# Altium PCB novena_evt1_a.PcbDoc (part 2 of 12)
Units mm, origin at the board's own origin, x right, y up, seen from the top; angles counter-clockwise.
Board outline 121 x 150 mm, 10 copper layers (Top, L2-GND, L3, L4, L5-PWR, L6-PWR, L7, L8, L9-GND, Bot), stack 1.621 mm thick; 951 components, 714 nets, 4891 pads, 2105 vias.
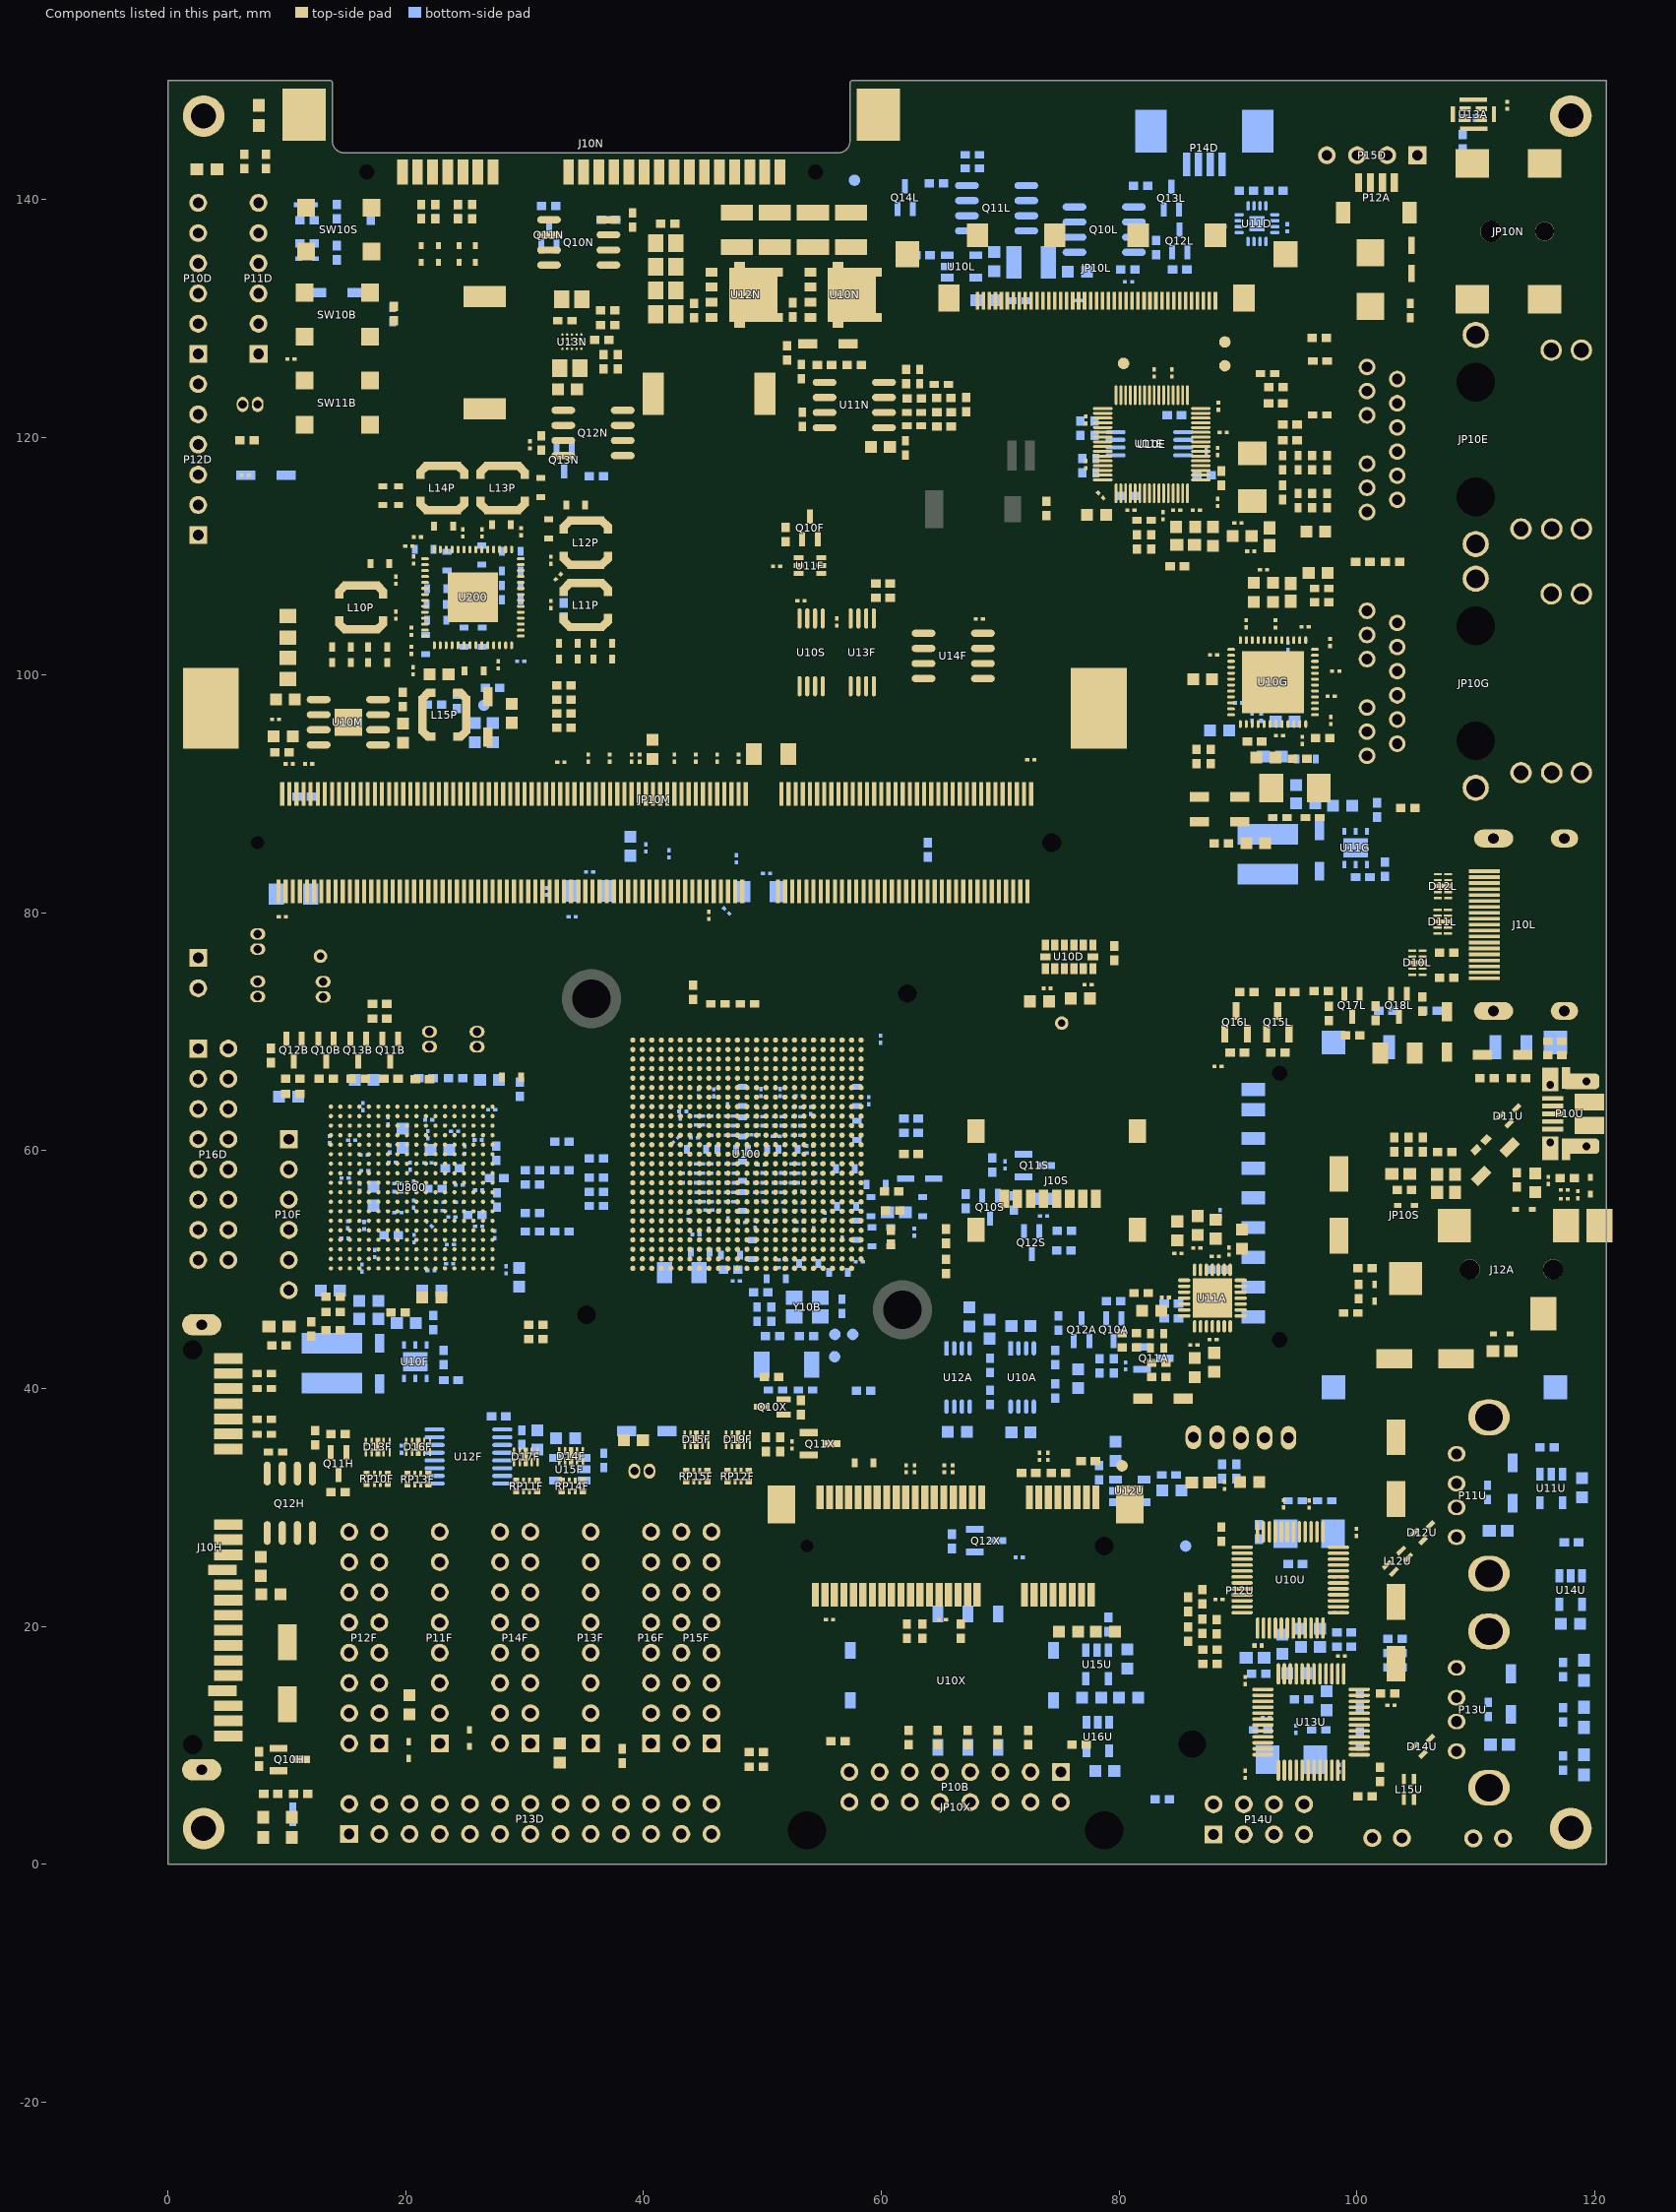
[diagram p10: the components of this part, seen from the top]

## Components (designator, comment, footprint, x,y, rotation, side; value= is the part's Value field where it differs from the comment) (continued)
C85C "0.22uF, 6.3V, X5R 10%" CAPC0603N_B 44.275,61.075 r0 bottom
C86C "0.22uF, 6.3V, X5R 10%" CAPC0603N_B 54,60.4 r180 bottom
C87C "0.22uF, 6.3V, X5R 10%" CAPC0603N_B 42.7,60.9 r225 bottom
C88C "0.22uF, 6.3V, X5R 10%" CAPC0603N_B 43.6,57.3 r0 bottom
C89C "0.22uF, 6.3V, X5R 10%" CAPC0603N_B 52.925,63.65 r0 bottom
C90C "0.22uF, 6.3V, X5R 10%" CAPC0603N_B 47.225,61.3 r180 bottom
C91C "0.22uF, 6.3V, X5R 10%" CAPC0603N_B 52.725,58.9 r0 bottom
C92C "0.22uF, 6.3V, X5R 10%" CAPC0603N_B 52.7,57.3 r0 bottom
C93C "0.22uF, 6.3V, X5R 10%" CAPC0603N_B 52.725,58.1 r0 bottom
D10A "ESD5Z2.5T1" SOD-523 114.05,55.05 r180 top
D10C "NSR0320" SOD-323 63.225,57.65 r180 bottom
D10D "CDBM140-G" SOD123 14.2,132.15 r180 bottom
D10F "Kingbright APT1608SGC green (DNP)" CD1608-0603 9.35,45.2 r180 top
D10G "CDBM140-G" SOD123 96.85,85.2 r270 bottom
D10H "APT1608SGC green" CD1608-0603 8,3.1 r270 top
D10L "RCLAMP0524P" SEMTECH_SLP2510P8 105.1,75.8 r270 top
D10N "SSB44-E3/52T" DSO-C2/X2.3 101.15,133.25 r90 top
D10P "APT1608SGC green" CD1608-0603 3.275,142.525 r0 top
D10U "RSA5M" SOD123/X.85 111.65,59.075 r225 top
D10X "APT1608SGC green" CD1608-0603 119.1,12.35 r90 bottom
D11A "ESD5Z2.5T1" SOD-523 112.2,44.6 r180 top
D11D "CDBM140-G" SOD123 8.25,116.8 r180 bottom
D11F "CDBM140-G" SOD123 17.8,42.1 r270 bottom
D11G "BAT54T1G" SOD123 88.45,87.65 r180 top
D11L "RCLAMP0524P" SEMTECH_SLP2510P8 107.225,79.25 r90 top
D11N "PESD24VL1BA" SOD-323 104.6,134.95 r90 top
D11P "MBR140SFT" SOD123 26.9,96.475 r90 top
D11U "RCLAMP0502B" SOT-523 112.95,63.1 r45 top
D11X "APT1608SGC green" CD1608-0603 119.1,8.35 r90 bottom
D12A "ESD5Z2.5T1" SOD-523 101.5,48.05 r270 top
D12D "ESD5Z2.5T1" SOD-523 11.7,135 r180 bottom
D12F "APT1608SGC green" CD1608-0603 10.4,3.1 r270 top
D12G "BAT54T1G" SOD123 88.45,89.75 r180 top
D12L "RCLAMP0524P" SEMTECH_SLP2510P8 107.25,82.25 r90 top
D12N "BAT54T1G" SOD123 55.5,127.85 r0 top
D12U "RCLAMP0502B" SOT-523 105.7,28.05 r45 top
D12X "APT1608SGC green" CD1608-0603 119.1,16.3 r90 bottom
D13A "ESD5Z2.5T1" SOD-523 104.15,55.4 r180 top
D13D "ESD5Z2.5T1" SOD-523 11.6,139.55 r180 bottom
D13F "RCLAMP0524P" SEMTECH_SLP2510P8 17.65,35.075 r0 top
D13L "RSA5M" SOD123/X.85 107.575,69.975 r270 top
D13N "ESD5Z2.5T1" SOD-523 21.3,135.4 r270 top
D13U "RSA5M" SOD123/X.85 83.7,39.15 r180 top
D14A "ESD5Z2.5T1" SOD-523 119.65,57.05 r90 top
D14D "APT1608SGC green" CD1608-0603 7.65,147.05 r270 top
D14F "RCLAMP0524P" SEMTECH_SLP2510P8 33.9,34.3 r0 top
D14N "ESD5Z2.5T1" SOD-523 22.75,135.4 r270 top
D14U "RCLAMP0502B" SOT-523 105.7,10.075 r45 top
D15F "RCLAMP0524P" SEMTECH_SLP2510P8 44.45,35.7 r180 top
D15N "ESD5Z2.5T1" SOD-523 24.5,135.4 r270 top
D15U "RSA5M" SOD123/X.85 112.25,68.05 r180 top
D16F "RCLAMP0524P" SEMTECH_SLP2510P8 21.05,35.1 r0 top
D16N "ESD5Z2.5T1" SOD-523 25.85,135.4 r270 top
D16U "RSA5M" SOD123/X.85 113.1,32.05 r90 bottom
D17F "RCLAMP0524P" SEMTECH_SLP2510P8 30.1,34.25 r0 top
D17U "RSA5M" SOD123/X.85 112.95,14.3 r90 bottom
D18F "ESD5Z2.5T1" SOD-523 20.25,9.6 r270 top
D19F "RCLAMP0524P" SEMTECH_SLP2510P8 47.95,35.7 r180 top
D20F "ESD5Z2.5T1" SOD-523 25.35,10.6 r270 top
D21F "RSA5M" SOD123/X.85 40.275,36.425 r180 bottom
F10L "0ZCA0005FF2E" RESC3216N 103.425,68.2 r0 top
J10C "test point (DNP)" TP_SMT_38mil 56.075,42.675 r90 bottom
J10D "test point (DNP)" TP_HOLE 12.825,76.35 r90 top
J10E "test point (DNP)" TP_SMT_38mil 80.375,126.2 r270 top
J10H "MOLEX 47018-2000 female" SATA_MOLEX_47018_2000 2.075,26.65 r270 top
J10L "AUK HDM19SW-4-L2-1R3HHCN" MOLEX_47151-0001 111.5,79 r90 top locked
J10N "MOLEX 87703-0001 male" SATA_MOLEX-87703-0001 35.6,142.3 r180 top
J10P "test point (DNP)" TP_SMT_38mil 26.575,97.45 r90 bottom
J10S "AUK TFC08W01-HC-H" AUK_TFC08W01-HC-H 74.75,55.95 r180 top
J10X "test point (DNP)" TP_SMT_38mil 80.25,33.5 r180 top
J11C "test point (DNP)" TP_SMT_38mil 56.1,44.55 r90 bottom
J11D "test point (DNP)" TP_HOLE 75.175,70.725 r90 top
J11E "test point (DNP)" TP_SMT_38mil 88.9,128 r270 top
J12A "CUI SJ-43515TS-SMT" CUI_SJ_43515TS-SMT 116.5,50 r0 top locked
J12C "test point (DNP)" TP_SMT_38mil 57.6,44.55 r90 bottom
J12D "test point (DNP)" TP_SMT_38mil 57.75,141.6 r90 bottom
J12E "test point (DNP)" TP_SMT_38mil 88.9,126 r270 top
J13D "test point (DNP)" TP_SMT_38mil 85.6,26.75 r90 bottom
J14D "test point (DNP)" TP_SMT_38mil 90.5,131.35 r90 bottom
J15D "test point (DNP)" TP_SMT_38mil 28.9,95.975 r90 bottom
JP10E "UDE CORP 26-21024JA13-1" UDE_CORP_26-21024JA13-1 110,119.8 r90 top locked
JP10G "UDE CORP 26-21024JA13-1" UDE_CORP_26-21024JA13-1 110,99.3 r90 top locked
JP10L "HRS FX15S-41S-0.5SH" HRS_FX15S-41S-0.5SH 78.1,134.275 r180 top
JP10M "DDR3 SODIMM socket, reverse pinout" DDR3_SODIMM_REV 7.55,85.9 r90 top locked
JP10N "2.1mm x 5.5mm DC jack" CUI_PJ_002AH_SMT 111.3,137.3 r180 top locked
JP10S "HRS DM1AA-SF-PEJ(21)" HRS_DM1AA_SF_PEJ(21) 93.5,55.3 r270 bottom locked
JP10X "Mini PCI-express connector (TE 1717831)" MPCI_FULL_TE_1717831 78.755,26.75 r180 top
L10A "BLM18KG121" INDC1608AN 112.2,43.15 r0 top
L10E "BLM18KG121" INDC1608AN 85.6,110.95 r0 top
L10F "2.2uH, coilcraft MSS5121-222ML" COILCRAFT_MSS5121 13.8,40.45 r0 bottom
L10G "BLM18KG121" INDC1608AN 92.9,93.15 r180 bottom
L10N "3.3uH, MSS1260-332NL" COILCRAFT_MSS1048 50.225,123.65 r90 top
L10P "1uH LPS4018-102" COILCRAFT_LPS4018 16.25,105.675 r270 top
L10U "BLM18KG121" INDC1608AN 86.875,32.075 r0 top
L10X "BLM18KG121" INDC1608AN 61.275,54.8 r180 bottom
L11A "BLM18KG121" INDC1608AN 103.7,58.05 r0 top
L11E "BLM18KG121" INDC1608AN 92.65,111.625 r90 top
L11G "BLM18KG121" INDC1608AN 94.45,106.95 r270 top
L11N "0.60uH, XAL4020-601ME" COILCRAFT_MSS1048 26.65,131.8 r180 top
L11P "1uH LPS4018-102" COILCRAFT_LPS4018 35.15,105.875 r90 top
L11U "BLM18KG121" INDC1608AN 111.9,28.05 r180 bottom
L12A "BLM18KG121" INDC1608AN 106.75,57.25 r270 top
L12G "2.2uH, coilcraft MSS5121-222ML" COILCRAFT_MSS5121 92.5,83.25 r0 bottom
L12P "1uH LPS4018-102" COILCRAFT_LPS4018 35.15,111.125 r270 top
L12U "Bournes SRF2012-900Y or equiv." USB_CM_CHOKE_0805 104.325,25.775 r225 top
L13A "BLM18KG121" INDC1608AN 108.25,57.25 r270 top
L13P "1uH LPS4018-102" COILCRAFT_LPS4018 28.15,115.725 r90 top
L13U "BLM18KG121" INDC1608AN 91.45,17.35 r0 bottom
L14P "1uH LPS4018-102" COILCRAFT_LPS4018 23.075,115.725 r270 top
L14U "BLM18KG121" INDC1608AN 112,10.05 r180 bottom
L15P "2.2uH LPS4018-222" COILCRAFT_LPS4018 23.25,96.65 r180 top
L15U "Bournes SRF2012-900Y or equiv." USB_CM_CHOKE_0805 104.8,7.15 r270 top
M10N "M2 mounting hole" HOLE_M2_MOUNT#1 3.125,2.875 r0 top
M11N "M2 mounting hole" HOLE_M2_MOUNT#2 2.625,147.1 r0 top
M12N "M2 mounting hole" HOLE_M2_MOUNT#3 118.2,145 r0 top
M13N "M2 mounting hole" HOLE_M2_MOUNT#4 118.1,2.8 r0 top
P10A "JST B2B-EH-A" JST_B2B_EH_A 101.3,2.2 r0 top
P10B "Male 2.54mm 8x2 header (DNP)" HDR2X8 75.1,7.75 r180 top
P10D "Male 2.54mm 6x1 header" HDR1X6 2.54,127 r90 top
P10F "Male 2.54mm 6x1 header" HDR1X6 10.16,60.96 r270 top
P10U "FCI 10103594-0001LF" USB_MICRO_B_SMT 119.3,63.1 r90 top locked
P11A "JST B2B-EH-A" JST_B2B_EH_A 109.8,2.175 r0 top
P11D "Male 2.54mm 6x1 header" HDR1X6 7.62,127 r90 top
P11F "Female 8x1 2.54mm header" HDR1X8 22.86,10.16 r90 top
P11U "AUK USB-1X04-SR-BK-S-H" USB_TYPEA_TH_SINGLE 108.4,31 r90 top locked
P12A "JST BM04B-SRSS-TB" JST_BM04B_SRSS_TB 103.15,141.4 r180 top
P12D "Male 2.54mm 6x1 header" HDR1X6 2.54,111.76 r90 top
P12F "Female 8x2 2.54mm header" HDR2X8 17.78,10.16 r90 top
P12U "2mm 5-pin male header" AW_NU137 86.25,35.9 r270 top locked
P13D "Male 13x2 2.54mm header" HDR2X13 15.24,2.54 r0 top
P13F "Female 8x1 2.54mm header" HDR1X8 35.56,10.16 r90 top
P13U "AUK USB-1X04-SR-BK-S-H" USB_TYPEA_TH_SINGLE 108.4,13 r90 top locked
P14D "AMP 487951-4" AMP_487951_4 85.675,142.925 r0 bottom
P14F "Female 8x2 2.54mm header" HDR2X8 30.48,10.16 r90 top
P14U "Male right angle 4x2 2.54mm header" HDR2X4H 87.95,2.5 r0 top
P15D "Male 2.54mm 4x1 right-angle header (DNP)" HDR1X4H 105.1,143.7 r180 top
P15F "Female 8x2 2.54mm header" HDR2X8 45.72,10.16 r90 top
P16D "Male 8x2 2.54mm header" HDR2X8 2.54,68.58 r270 top
P16F "Female 8x1 2.54mm header" HDR1X8 40.64,10.16 r90 top
P_EXT "2 pin 1.27mm male header" HEADER_2_1.27MM 13.05,74.2 r270 top
P_FUSE "2 pin 1.27mm male header" HEADER_2_1.27MM 7.55,122.75 r180 top
P_LI2C_WP "2 pin 1.27mm male header" HEADER_2_1.27MM 22,70 r270 top
P_LSPI_WP "2 pin 1.27mm male header" HEADER_2_1.27MM 26,70 r270 top
P_PWM "2 pin 1.27mm male header" HEADER_2_1.27MM 40.5,33.05 r180 top
P_SATA "2 pin 1.27mm male header" HEADER_2_1.27MM 7.55,76.95 r90 top
P_TAMPER "Male 2.54mm 2x1 right angle (DNP)" HDR1X2H 2.54,76.2 r270 top
P_USB "2 pin 1.27mm male header" HEADER_2_1.27MM 7.55,72.95 r90 top
Q10A "2N7002W" SOT323-3AN 79.55,44.95 r270 bottom
Q10B "2N7002W" SOT323-3AN 13.3,68.45 r270 top
Q10F "2N7002W" SOT323-3AN 54,112.35 r90 top
Q10H "FDN304P" SOT23-3N 10.25,8.8 r0 top
Q10L "Si4435DY" SOIC127P600-8AN 78.75,137.45 r180 bottom
Q10N "Si4435DY" SOIC127P600-8AN 34.55,136.375 r180 top
Q10S "2N7002W" SOT323-3AN 69.15,55.25 r270 bottom
Q10X "2N7002W" SOT323-3AN 50.85,38.45 r180 top
Q11A "FDN304P" SOT23-3N 82.9,42.55 r0 bottom
Q11B "2N7002W" SOT323-3AN 18.7,68.45 r270 top
Q11H "2N7002W" SOT323-3AN 14.35,33.7 r270 top
Q11L "Si4435DY" SOIC127P600-8AN 69.7,139.25 r0 bottom
Q11N "2N7002W" SOT323-3AN 32.05,137.01 r90 bottom
Q11S "FDN304P" SOT23-3N 72.9,58.75 r0 bottom
Q11X "FDN304P" SOT23-3N 54.85,35.35 r0 top
Q12A "2N7002W" SOT323-3AN 76.85,44.95 r90 bottom
Q12B "2N7002W" SOT323-3AN 10.6,68.45 r270 top
Q12H "Si4435DY" SOIC127P600-8AN 10.25,30.35 r270 top
Q12L "2N7002W" SOT323-3AN 85.1,136.5 r90 bottom
Q12N "Si4435DY" SOIC127P600-8AN 35.75,120.35 r0 top
Q12S "2N7002W" SOT323-3AN 72.65,52.25 r270 bottom
Q12X "FDN304P" SOT23-3N 68.8,27.2 r0 bottom
Q13B "2N7002W" SOT323-3AN 16,68.45 r270 top
Q13L "2N7002W" SOT323-3AN 84.4,140.1 r90 bottom
Q13N "2N7002W" SOT323-3AN 33.325,118.095 r270 bottom
Q14L "2N7002W" SOT323-3AN 62,140.15 r90 bottom
Q15L "BSS138" SOT23-3N 93.35,70.8 r90 top
Q16L "BSS138" SOT23-3N 89.85,70.8 r90 top
Q17L "2N7002W (DNP)" SOT323-3AN 99.6,72.2 r270 top
Q18L "2N7002W" SOT323-3AN 103.55,72.2 r270 top
R10A "20k, 1%" RESC1005N 74.65,39.8 r90 bottom
R10B "1k, 1%" RESC1005N 83.35,40.95 r180 top
R10D "10k, 1%" RESC1005N 14.2,135.5 r90 bottom
R10E "4.7k, 1%" RESC1005N 80.7,115.05 r180 bottom
R10F "100, 1%" RESC1005N 49.475,9.425 r180 top
R10G "2.2M, 1%" RESC1005N 95.2,92.95 r0 top
R10H "100k, 1%" RESC1005N 12.4,35.85 r270 top
R10L "49.9, 1%" RESC1005N 62.5,59.7 r0 top
R10M "10k, 1%" RESC1005N 63.925,85.3 r90 bottom
R10N "8.06 ohm, 1%" RESC1005N 57.725,126.05 r180 top
R10P "240, 1%" RESC1005N 6.425,143.175 r90 top
R10S "1k, 1%" RESC1005N 71.15,55.6 r90 bottom
R10U "0 ohm (DNP)" RESC1005N 98.925,18.3 r180 bottom
R10X "10k, 1%" RESC1005N 50.3,35.3 r270 top
R11A "10k, 1%" RESC1005N 81.85,48.025 r180 top
R11B "1k, 1%" RESC1005N 80.85,43.45 r180 top
R11D "10k, 1%" RESC1005N 14.2,138.95 r90 bottom
R11E "0 ohm" RESC1005N 82.7,111.2 r90 top
R11F "100, 1%" RESC1005N 49.475,8.175 r0 top
R11G "4.7k, 1%" RESC1005N 87.7,93.15 r270 top
R11H "330, 1%" RESC1005N 14.3,31.3 r0 top
R11L "100k, 1%" RESC1005N 80.75,134.1 r180 bottom
R11M "240, 1%" RESC1005N 44.175,73.325 r90 top
R11N "10k, 1%" RESC1005N 52.55,130.7 r90 top
R11P "10k, 1%" RESC1005N 33.3,96.75 r0 top
R11S "68k, 1%" RESC1005N 67.1,55.75 r270 bottom
R11U "100k, 1%" RESC1005N 87.65,18.05 r0 top
R11X "68k, 1%" RESC1005N 53.25,38.4 r90 top
R12A "20k, 1%" RESC1005N 74.65,42.6 r90 bottom
R12D "10k, 1%" RESC1005N 6.65,119.75 r180 top
R12E "1M, 1%" RESC1005N 88.6,116.55 r270 top
R12F "4.7k, 1%" RESC1005N 21.7,66.1 r0 bottom
R12G "4.99k, 1%" RESC1005N 97.125,94.7 r0 top
R12H "10k, 1%" RESC1005N 14.3,36.15 r0 top
R12L "10k, 1%" RESC1005N 63.5,135.3 r180 bottom
R12M "10k, 1%" RESC1005N 11.475,89.75 r0 bottom
R12N "100, 1%" RESC1005N 52.075,127.075 r90 top
R12P "1k, 1%" RESC1005N 33.3,95.55 r0 top
R12S "100k, 1%" RESC1005N 69.35,58.8 r90 bottom
R12U "10k, 1%" RESC1005N 87.65,16.85 r180 top
R12X "100k, 1%" RESC1005N 51.5,35.3 r270 top
R13A "20k, 1%" RESC1005N 69.15,39.25 r90 bottom
R13B "100, 1%" RESC1005N 76.65,10.05 r0 top
R13D "10k, 1%" RESC1005N 90.7,140.7 r180 bottom
R13E "0 ohm" RESC1005N 81.5,111.2 r90 top
R13F "4.7k, 1% (DNP)" RESC1005N 24.2,66.1 r0 bottom
R13G "4.7k, 1%" RESC1005N 86.5,93.15 r270 top
R13H "10k, 1%" RESC1005N 7.65,8.85 r90 top
R13L "6.04k, 1%" RESC1005N 60.825,52.725 r270 top
R13M "2.2 ohm, 5%" RESC1005N 19.75,97.95 r270 top
R13N "20 ohms, 1%" RESC1005N 42.05,137.95 r180 top
R13P "68k, 1%" RESC1005N 33.3,99.125 r0 top
R13S "100, 1%" RESC1005N 75.35,51.6 r180 bottom
R13U "0 ohm (DNP)" RESC1005N 98.925,19.5 r180 bottom
R13X "49.9, 1%" RESC1005N 72.4,32.9 r180 top
R14A "20k, 1%" RESC1005N 69.15,41.95 r90 bottom
R14B "10k, 1%" RESC1005N 67.25,10.65 r90 top
R14D "10k, 1%" RESC1005N 17.05,138.85 r90 bottom
R14E "12.1k, 1%" RESC1005N 84.9,109.125 r180 top
R14F "4.7k, 1%" RESC1005N 13.9,47.7 r180 top
R14G "0 ohm" RESC1005N 97.05,106.125 r180 top
R14H "330, 1%" RESC1005N 8.65,5.9 r0 top
R14L "6.04k, 1%" RESC1005N 60.95,54.95 r0 top
R14M "1k, 1%" RESC1005N 9.6,93.475 r180 top
R14N "68k, 1%" RESC1005N 65.275,122.075 r180 top
R14P "68k, 1%" RESC1005N 33.3,97.925 r0 top
R14S "10k, 1%" RESC1005N 75.4,53.25 r0 bottom
R14U "10k, 1%" RESC1005N 85.8,19.35 r90 top
R14X "100k, 1%" RESC1005N 65.95,27.15 r270 bottom
R15A "100k, 1%" RESC1005N 100.7,50.1 r180 top
R15B "10k, 1%" RESC1005N 69.8,10.65 r90 top
R15D "100, 1%" RESC1005N 11.7,136.3 r0 bottom
R15E "49.9, 1%" RESC1005N 94.375,119.725 r0 top
R15F "4.7k, 1% (DNP)" RESC1005N 12.05,45 r90 top
R15G "330, 1%" RESC1005N 104.3,88.8 r180 top
R15H "191, 1%" RESC1005N 47.325,49.975 r0 bottom
R15L "1k, 1%" RESC1005N 83.1,135.95 r90 bottom
R15M "0 ohm, 0805" RESC2012N 10.075,100.55 r270 top
R15N "63.4k, 1%" RESC1005N 62.775,123.25 r0 top
R15P "10k, 1%" RESC1005N 27.3,98.925 r0 bottom
R15U "10k, 1%" RESC1005N 116,35.05 r0 bottom
R15X "49.9, 1%" RESC1005N 74.9,32.9 r0 top
R16A "47k, 1%" RESC1005N 100.15,48.15 r270 top
R16B "10k, 1%" RESC1005N 72.35,10.65 r90 top
R16D "100, 1%" RESC1005N 11.7,138.25 r0 bottom
R16E "49.9, 1%" RESC1005N 94.375,121.075 r0 top
R16F "4.7k, 1%" RESC1005N 13.9,44.9 r180 top
R16G "10k, 1%" RESC1005N 100.5,83 r180 bottom
R16L "10k, 1%" RESC1005N 67.65,142.6 r0 bottom
R16M "0 ohm, 0805 (DNP)" RESC2012N 10.075,104.05 r270 top
R16N "4.99k, 1%" RESC1005N 65.25,123.275 r180 top
R16P "0 ohm (DNP)" RESC1005N 22.425,97.5 r0 bottom
R16S "49.9, 1%" RESC1005N 62.5,62.7 r180 bottom
R16U "10k, 1%" RESC1005N 88.2,19.95 r270 top
R16X "68k, 1%" RESC1005N 66.7,19.6 r90 top
R17A "10k, 1%" RESC1005N 78.35,41.9 r90 bottom
R17B "10k, 1%" RESC1005N 19,130.4 r270 top
R17D "20k, 1%" RESC1005N 79.6,76.6 r270 top
R17E "12.1k, 1%" RESC1005N 87.15,116.804 r0 bottom
R17F "4.7k, 1% (DNP)" RESC1005N 13.9,46.45 r180 top
R17G "10k, 1%" RESC1005N 102.375,83.65 r270 bottom
R17L "330, 1%" RESC1005N 81.8,141.15 r180 bottom
R17N "0 ohm" RESC1005N 55.225,126.05 r180 top
R17P "0 ohm (DNP)" RESC1005N 24.3,97.775 r90 bottom
R17S "10k, 1%" RESC1005N 88.35,49.975 r0 bottom
R17U "10k, 1%" RESC1005N 87,20 r90 top
R17X "330, 1%" RESC1005N 117.35,12.55 r90 bottom
R18A "10k, 1%" RESC1005N 104,56.7 r180 top
R18B "0 ohm" RESC1005N 56.35,10.35 r180 top
R18D "330, 1%" RESC1005N 8.225,143.175 r90 top
R18E "22 ohm, 1%" RESC1005N 77.95,120.75 r270 bottom
R18F "10k, 1%" RESC1005N 23.2,42.6 r90 bottom
R18G "10k, 1%" RESC1005N 101.7,88.65 r90 bottom
R18L "100k, 1%" RESC1005N 85.1,134.1 r0 bottom
R18N "0 ohm" RESC1005N 67.125,122.725 r90 top
R18P "0 ohm" RESC1005N 33.275,105.45 r270 bottom
R18S "10k, 1%" RESC1005N 106.15,71.75 r0 bottom
R18U "10k, 1%" RESC1005N 85.8,21.85 r270 top
R18X "330, 1%" RESC1005N 117.35,8.5 r90 bottom
R19A "68k, 1%" RESC1005N 79.55,47.35 r0 bottom
R19B "10k, 1%" RESC1005N 64.75,10.65 r270 top
R19D "10k, 1%" RESC1005N 93.2,140.7 r180 bottom
R19E "4.7k, 1%" RESC1005N 84.65,121.85 r0 bottom
R19F "10k, 1%" RESC1005N 23.8,40.7 r180 bottom
R19G "330, 1%" RESC1005N 103,109.5 r180 top
R19L "10k, 1%" RESC1005N 64.65,141.35 r180 bottom
R19N "15k, 1%" RESC1005N 44.25,130.65 r270 top
R19P "1k, 1% (DNP)" RESC1005N 73.9,114 r270 top
R19S "10k, 1%" RESC1005N 102.45,71.75 r0 bottom
R19U "10k, 1%" RESC1005N 87,22.5 r270 top
R19X "330, 1%" RESC1005N 117.35,16.35 r90 bottom
R20A "100k, 1%" RESC1005N 79.55,41.9 r90 bottom
R20B "1k, 1%" RESC1005N 62.3,10.65 r270 top
R20D "100k, 1%" RESC1005N 113.45,57.55 r90 top
R20E "22 ohm, 1%" RESC1005N 76.75,120.75 r90 bottom
R20F "10k, 1%" RESC1005N 22.3,45.55 r90 bottom
R20G "10k, 1%" RESC1005N 88.6,85.85 r180 top
R20L "1.8k, 1%" RESC1005N 93.35,68.25 r0 top
R20N "0 ohm (DNP)" RESC1005N 65.275,120.9 r180 top
R20U "100, 1%" RESC1005N 116.65,68.05 r180 top
R20X "200, 1%" RESC1005N 58.5,39.8 r180 bottom
R21A "100, 1%" RESC1005N 74.9,45.5 r90 bottom
R21E "49.9, 1%" RESC1005N 93.2,124.2 r180 top
R21F "4.7k, 1%" RESC1005N 29.6,65.15 r270 bottom
R21G "49.9, 1%" RESC1005N 91.4,94.4 r180 top
R21L "1.8k, 1%" RESC1005N 90.75,73.35 r180 top
R21N "47k, 1%" RESC1005N 24.4,138.95 r90 bottom
R21U "10k, 1%" RESC1005N 88.6,27.75 r90 top
R21X "10k, 1%" RESC1005N 63.452,19.604 r270 top
R22A "2.2k, 1%" RESC1005N 117.7,57.7 r180 top
R22B "10k, 1% (DNP)" RESC1005N 65.45,52.8 r90 top
R22E "49.9, 1%" RESC1005N 93.175,122.85 r180 top
R22F "330, 1%" RESC1005N 9.35,43.6 r180 top
R22L "1.8k, 1%" RESC1005N 94.175,73.35 r180 top
R22N "330, 1%" RESC1005N 25.6,138.95 r270 top
R22U "680, 1%" RESC1005N 94.825,25.225 r0 bottom
R22X "10k, 1%" RESC1005N 62.152,19.604 r270 top
R23A "1k, 1%" RESC1005N 107.4,59.9 r180 top
R23B "10k, 1% (DNP)" RESC1005N 30.95,44.15 r180 top
R23E "47k, 1%" RESC1005N 76.9,117.6 r270 bottom
R23F "10k, 1%" RESC1005N 19.35,46.4 r180 top
R23L "1.8k, 1%" RESC1005N 89.95,68.25 r0 top
R23N "330, 1%" RESC1005N 24.4,138.95 r270 top
R23U "10k, 1%" RESC1005N 78.3,32.925 r90 bottom
R23X "68k, 1%" RESC1005N 77.4,33.875 r0 top
R24A "0 ohm (DNP)" RESC1005N 103.15,60.5 r270 top
R24E "330, 1%" RESC1005N 100.5,109.5 r180 top
R24F "10k, 1%" RESC1005N 21.4,66 r0 top
R24L "1.6k, 1%" RESC1005N 60.875,56.575 r180 top
R24N "100k, 1%" RESC1005N 37.05,138.28 r0 bottom
R24U "10k, 1%" RESC1005N 91.775,27.925 r270 bottom
R25A "0 ohm" RESC1005N 105.55,60.5 r90 top
R25B "10k, 1%" RESC1005N 13.3,66.05 r0 top
R25E "330, 1%" RESC1005N 96.85,128.35 r0 top
R25F "4.7k, 1%" RESC1005N 10.5,64.75 r180 top
R25L "47k, 1%" RESC1005N 105.5,72.325 r270 top
R25N "8.66k, 1%" RESC1005N 62.075,125.1 r270 top
R25U "0 ohm" RESC1005N 49.85,48.1 r180 bottom
R26A "330, 1%" RESC1005N 83.35,42.15 r180 top
R26B "4.7k, 1%" RESC1005N 65.45,50.25 r90 top
R26E "49.9, 1%" RESC1005N 96.25,114.65 r90 top
R26F "0 ohm (DNP)" RESC1005N 51.95,111.8 r90 top
R26L "49.9, 1% (DNP)" RESC1005N 62.5,61.5 r0 bottom
R26N "330, 1%" RESC1005N 22.5,138.95 r270 top
R26U "0 ohm" RESC1005N 88.65,33.025 r90 bottom
R27A "330, 1%" RESC1005N 80.85,44.65 r180 top
R27B "10k, 1%" RESC1005N 30.95,45.35 r0 top
R27E "49.9, 1%" RESC1005N 97.5,114.65 r90 top
R27F "330, 1%" RESC1005N 11.15,5.9 r0 top
R27L "0 ohm (DNP)" RESC1005N 99.65,69.7 r0 top
R27N "330, 1%" RESC1005N 21.3,138.95 r270 top
R27U "0 ohm" RESC1005N 89.85,33.025 r90 bottom
R28A "0 ohm (DNP)" RESC1005N 104.35,60.5 r90 top
R28B "100k, 1%" RESC1005N 50.775,40.95 r180 top
R28E "49.9, 1%" RESC1005N 96.25,117.85 r270 top
R28F "10k, 1%" RESC1005N 27.825,37.675 r0 bottom
R28L "0 ohm" RESC1005N 97,73.4 r0 top
R28N "47k, 1%" RESC1005N 21.3,138.95 r270 bottom
R28U "0 ohm (DNP)" RESC1005N 95.35,13.85 r180 bottom
R29A "100, 1% (DNP)" RESC1005N 84.4,47.15 r180 bottom
R29B "10k, 1%" RESC1005N 17.8,72.35 r0 top
R29E "49.9, 1%" RESC1005N 97.5,117.85 r270 top
R29F "2.2k, 1%" RESC1005N 60.15,107.7 r180 top
R29L "10k, 1% (DNP)" RESC1005N 97.65,71.525 r90 top
R29N "330, 1%" RESC1005N 32.025,139.425 r180 bottom
R29U "100k, 1%" RESC1005N 103.2,17.75 r180 bottom
R30F "2.2k, 1%" RESC1005N 60.15,106.5 r180 top
R30L "10k, 1%" RESC1005N 101.575,71.55 r90 top
R30N "47k, 1%" RESC1005N 22.5,138.95 r270 bottom
R30U "10k, 1%" RESC1005N 103.2,18.95 r0 bottom
R31A "100, 1% (DNP)" RESC1005N 109.55,146.825 r0 bottom
R31L "100, 1%" RESC1005N 107.55,76.65 r180 top
R31U "0 ohm (DNP)" RESC1005N 91.75,16 r0 bottom
R32A "100, 1% (DNP)" RESC1005N 84.4,45.9 r0 bottom
R32B "10M, 1% (DNP)" RESC1005N 53.7,44.4 r0 bottom
R32L "330, 1%" RESC1005N 107.55,74.55 r180 top
R32N "1k, 1%" RESC1005N 36.5,128.175 r180 top
R32U "10k, 1%" RESC1005N 103.2,16.55 r0 bottom
R33B "2.2M, 1%" RESC1005N 50.75,46.25 r270 bottom
R33N "1k, 1% (DNP)" RESC1005N 37,129.425 r0 top
R33U "10k, 1%" RESC1005N 118.05,27.05 r180 bottom
R34A "100, 1% (DNP)" RESC1005N 108.9,144.85 r90 bottom
R34B "10M, 1% (DNP)" RESC1005N 50.85,44.4 r0 bottom
R34N "1k, 1%" RESC1005N 37,130.65 r0 top
R34U "10k, 1%" RESC1005N 102.6,14.35 r0 top
R35B "10k, 1%" RESC1005N 27.675,55.85 r270 bottom
R35N "100k, 1%" RESC1005N 31.4,119.5 r90 top
R35U "10k, 1%" RESC1005N 100.25,13.75 r90 bottom
R36B "0 ohm (DNP)" RESC1005N 30.65,53.2 r180 bottom